# Altium PCB Inverter_2kW.PcbDoc (part 1 of 3) (continued)
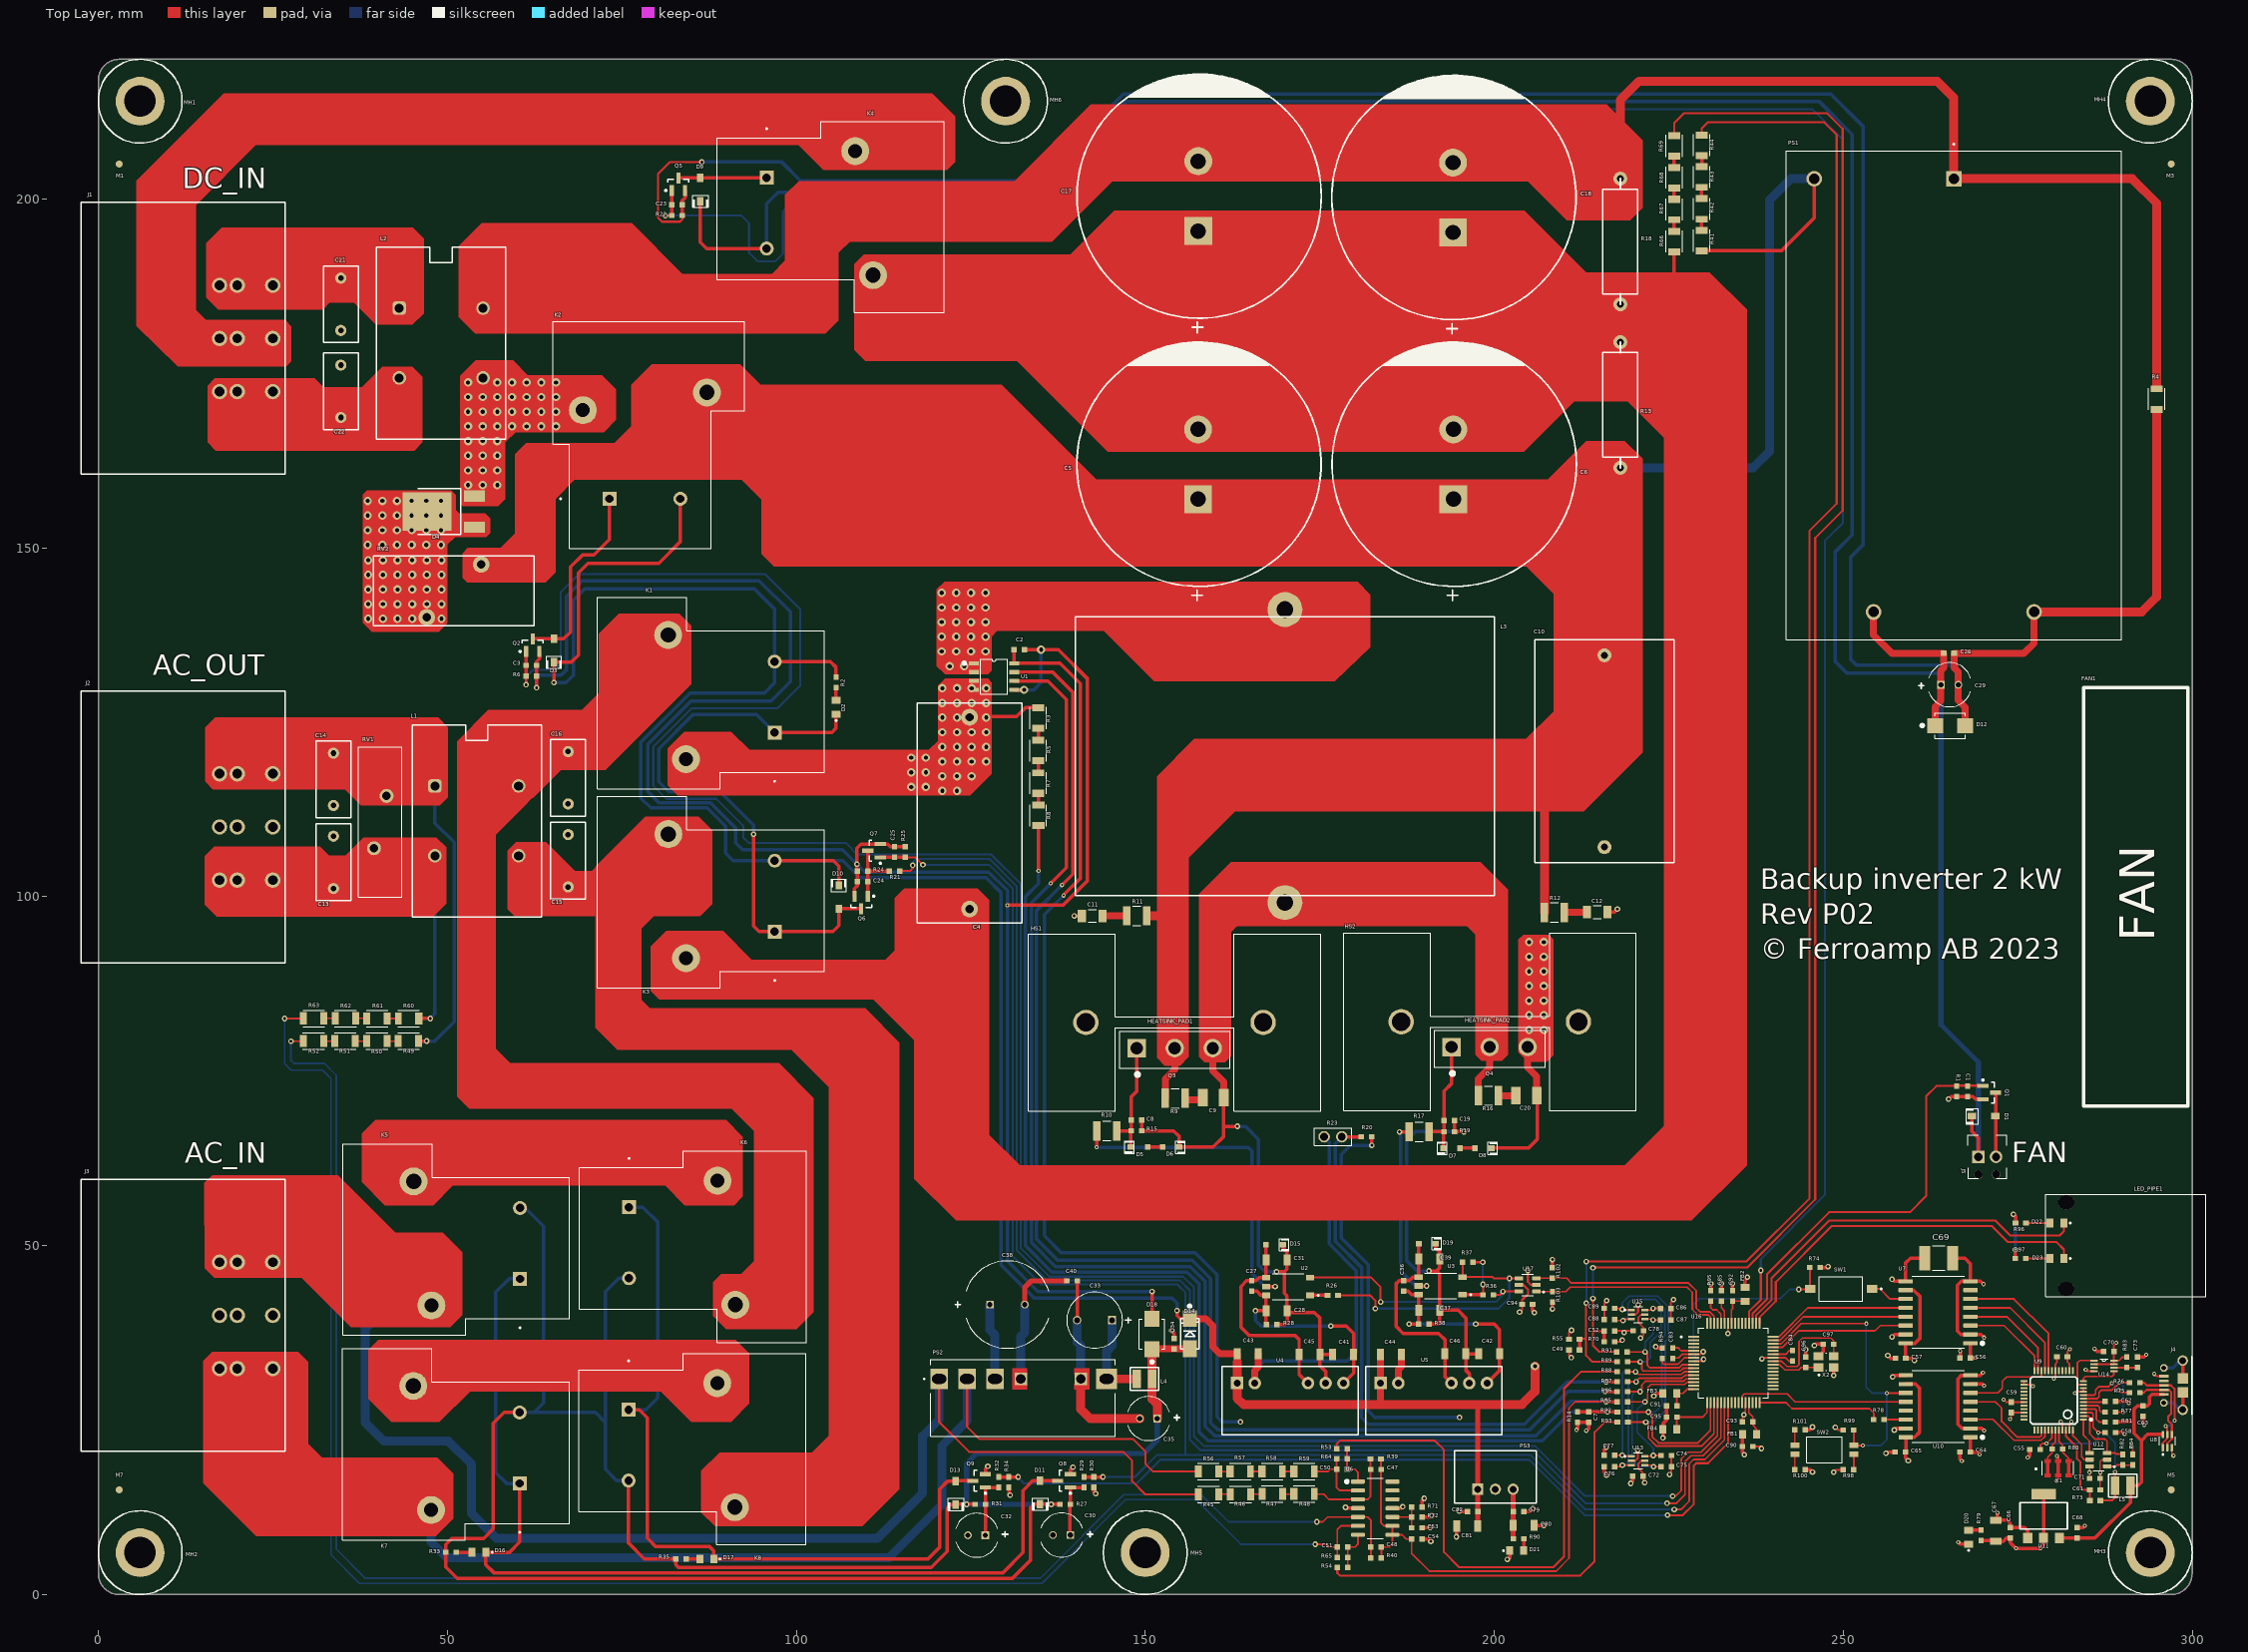
[diagram p0: Top Layer view]
## Design rules (kind name [scope] priority, off if disabled: settings)
Clearance [All vs ((Not InAnyNet) And IsPad)] p1: gap=0.6 ignorepadtopadclearanceinfootprint=TRUE except(0.2: Arc-Arc Arc-Track Arc-SMDPad Arc-THPad Arc-Via Arc-Hole Track-Track Track-SMDPad Track-THPad Track-Via Track-Hole SMDPad-SMDPad SMDPad-THPad SMDPad-Via SMDPad-Hole THPad-THPad THPad-Via THPad-Hole Via-Via Via-Hole Fill-Hole Poly-Hole Region-Hole Text-Hole)
Clearance Clearance_Keepout [All vs KeepoutRestrictionsCopper] p2: gap=1.4 ignorepadtopadclearanceinfootprint=TRUE except(0.5: Arc-Arc Arc-Track Arc-SMDPad Arc-THPad Arc-Hole Track-Track Track-SMDPad Track-THPad Track-Hole)
Clearance Clearance_+HV [InNetClass('+HV') vs Not InNetClass('+HV')] p3: gap=1.5 ignorepadtopadclearanceinfootprint=FALSE
Clearance Clearance_-HV [InNetClass('-HV') vs Not InNetClass('-HV')] p4: gap=1.5 ignorepadtopadclearanceinfootprint=FALSE
Clearance Clearance_VACL [InNetClass('VAC_L') vs Not InNetClass('VAC_L')] p5: gap=1.5 ignorepadtopadclearanceinfootprint=FALSE
Clearance Clearance_VACN [InNetClass('VAC_N') vs Not InNetClass('VAC_N')] p6: gap=1.5 ignorepadtopadclearanceinfootprint=FALSE
Clearance Clearance_Earth [InNet('Earth') vs Not InNet('Earth')] p7: gap=1.5 ignorepadtopadclearanceinfootprint=FALSE
Clearance Clearance_USB_ISO [InNetClass('GND_USB') vs Not InNetClass('GND_USB')] p8: gap=1.5 ignorepadtopadclearanceinfootprint=FALSE
Clearance Clearance_1 [All] p9: gap=0.6 ignorepadtopadclearanceinfootprint=TRUE except(0.2: Arc-Arc Arc-Track Arc-SMDPad Arc-THPad Arc-Via Arc-Hole Track-Track Track-SMDPad Track-THPad Track-Via Track-Hole SMDPad-SMDPad SMDPad-THPad SMDPad-Via SMDPad-Hole THPad-THPad THPad-Via THPad-Hole Via-Via Via-Hole Fill-Hole Poly-Hole Region-Hole Text-Hole)
ComponentClearance [All] p1: gap=0.25 collisioncheckmode=3 verticalgap=0 showdistances=FALSE
DiffPairsRouting DiffPairsRouting_USB [InDifferentialPair('USB')] p1: maxlimit=10 minlimit=0.1 mostfreqgap=0.1 toplayer_minwidth=0.16 toplayer_maxwidth=0.5 toplayer_prefwidth=0.2 midlayer1_minwidth=0.16 midlayer1_maxwidth=0.5 midlayer1_prefwidth=0.2 midlayer2_minwidth=0.16 midlayer2_maxwidth=0.5 midlayer2_prefwidth=0.2 bottomlayer_minwidth=0.16 bottomlayer_maxwidth=0.5 bottomlayer_prefwidth=0.2 maxuncoupledlength=12.7
DiffPairsRouting DiffPairsRouting_USB_D [InDifferentialPair('USB_D')] p2: maxlimit=10 minlimit=0.1 mostfreqgap=0.1 toplayer_minwidth=0.16 toplayer_maxwidth=0.5 toplayer_prefwidth=0.2 midlayer1_minwidth=0.16 midlayer1_maxwidth=0.5 midlayer1_prefwidth=0.2 midlayer2_minwidth=0.16 midlayer2_maxwidth=0.5 midlayer2_prefwidth=0.2 bottomlayer_minwidth=0.16 bottomlayer_maxwidth=0.5 bottomlayer_prefwidth=0.2 maxuncoupledlength=12.7
DiffPairsRouting DiffPairsRouting_ETH_RD [InDifferentialPair('ETH_RD')] p3: maxlimit=10 minlimit=0.1 mostfreqgap=0.1 toplayer_minwidth=0.16 toplayer_maxwidth=0.5 toplayer_prefwidth=0.2 midlayer1_minwidth=0.16 midlayer1_maxwidth=0.5 midlayer1_prefwidth=0.2 midlayer2_minwidth=0.16 midlayer2_maxwidth=0.5 midlayer2_prefwidth=0.2 bottomlayer_minwidth=0.16 bottomlayer_maxwidth=0.5 bottomlayer_prefwidth=0.2 maxuncoupledlength=12.7
DiffPairsRouting DiffPairsRouting_ETH_TD [InDifferentialPair('ETH_TD')] p4: maxlimit=10 minlimit=0.1 mostfreqgap=0.1 toplayer_minwidth=0.16 toplayer_maxwidth=0.5 toplayer_prefwidth=0.2 midlayer1_minwidth=0.16 midlayer1_maxwidth=0.5 midlayer1_prefwidth=0.2 midlayer2_minwidth=0.16 midlayer2_maxwidth=0.5 midlayer2_prefwidth=0.2 bottomlayer_minwidth=0.16 bottomlayer_maxwidth=0.5 bottomlayer_prefwidth=0.2 maxuncoupledlength=12.7
DiffPairsRouting [All] p5: maxlimit=0.16 minlimit=0.1 mostfreqgap=0.1 toplayer_minwidth=0.16 toplayer_maxwidth=0.5 toplayer_prefwidth=0.2 midlayer1_minwidth=0.16 midlayer1_maxwidth=0.5 midlayer1_prefwidth=0.2 midlayer2_minwidth=0.16 midlayer2_maxwidth=0.5 midlayer2_prefwidth=0.2 bottomlayer_minwidth=0.16 bottomlayer_maxwidth=0.5 bottomlayer_prefwidth=0.2 maxuncoupledlength=12.7
Height [All] p1: minheight=0 maxheight=20 prefheight=10
HoleSize HoleSize_BGA [isVia And WithinRoom('MCU_IO')] p1: absolutevalues=TRUE maxlimit=2.5 minlimit=0.1 maxpercent=80.000 minpercent=20.000
HoleSize [All] p2: absolutevalues=TRUE maxlimit=15 minlimit=0.2 maxpercent=80.000 minpercent=20.000
HoleToHoleClearance [All] p1: gap=0.4 allowstackedmicrovias=TRUE
MatchedLengths MD_MatchedLengths [InNetClass('MD')] p1: tolerance=2 checknetsindiffpair=FALSE checkdiffpairvsdiffpair=TRUE checkxsignals=TRUE checkothers=TRUE
MatchedLengths SD_MatchedLengths [InNetClass('SD')] p2: tolerance=8 checknetsindiffpair=FALSE checkdiffpairvsdiffpair=TRUE checkxsignals=TRUE checkothers=TRUE
MatchedLengths SSD_MatchedLengths [InNetClass('SSD')] p3: tolerance=10 checknetsindiffpair=FALSE checkdiffpairvsdiffpair=TRUE checkxsignals=TRUE checkothers=TRUE
MatchedLengths XIP_MatchedLengths [InNetClass('XIP')] p4: tolerance=10 checknetsindiffpair=FALSE checkdiffpairvsdiffpair=TRUE checkxsignals=TRUE checkothers=TRUE
MatchedLengths Flash [InNetClass('Flash')] p5: tolerance=1.27 checknetsindiffpair=FALSE checkdiffpairvsdiffpair=TRUE checkxsignals=TRUE checkothers=TRUE
MatchedLengths DiffPair_ETHMatchedLengths [InDifferentialPairClass('DP_ETH')] p6: tolerance=2.3 checknetsindiffpair=TRUE checkdiffpairvsdiffpair=FALSE checkxsignals=FALSE checkothers=FALSE
MatchedLengths RMII_MatchedLengths [InNetClass('RMII')] p7: tolerance=8 checknetsindiffpair=FALSE checkdiffpairvsdiffpair=TRUE checkxsignals=TRUE checkothers=TRUE
MatchedLengths DiffPair_DP_USBMatchedLengths [InDifferentialPair ('USB_D')] p8: tolerance=14.2 checknetsindiffpair=TRUE checkdiffpairvsdiffpair=FALSE checkxsignals=FALSE checkothers=FALSE
MinimumAnnularRing "MinimumAnnularRing Mid-Layer 1" [OnLayer('Mid-Layer 1')] p1: minimumring=0.35
MinimumAnnularRing "MinimumAnnularRing Mid-Layer 2" [OnLayer('Mid-Layer 2')] p2: minimumring=0.35
MinimumAnnularRing [All] p3: minimumring=0.1
MinimumSolderMaskSliver [All] p1: minsoldermaskwidth=0
NetAntennae NetAntennae_JTAG [InNetClass('JTAG')] p1: netantennaetolerance=20
NetAntennae [All] p2: netantennaetolerance=0
PlaneClearance [All] p1: clearance=0.5
PlaneConnect [All] p1: planeconnectstyle=Relief reliefexpansion=0.5 reliefentries=4 reliefconductorwidth=1 reliefairgap=0.5
PolygonConnect [All] p1: thpad.connectstyle=Relief thpad.reliefconductorwidth=1 thpad.reliefentries=4 thpad.polygonreliefangle="90 Angle" thpad.airgapwidth=0.5 smdpad.connectstyle=Direct smdpad.reliefconductorwidth=0.4 smdpad.reliefentries=4 smdpad.polygonreliefangle="90 Angle" smdpad.airgapwidth=0.254 via.connectstyle=Direct via.reliefconductorwidth=0.75 via.reliefentries=4 via.polygonreliefangle="90 Angle" via.airgapwidth=0.5
RoomDefinition Inverter [InComponentClass('Inverter')] p1: confinementstyle=ConfineIn formatcopy=TRUE lockcomponents=FALSE outline -829.291,-613.638 -778.491,-613.638 -778.491,-588.238 -829.291,-588.238
RoomDefinition Main [InComponentClass('Main')] p2: confinementstyle=ConfineIn formatcopy=TRUE lockcomponents=FALSE outline -829.291,-613.638 -778.491,-613.638 -778.491,-588.238 -829.291,-588.238
RoomDefinition Controller [InComponentClass('Controller')] p3: confinementstyle=ConfineIn formatcopy=TRUE lockcomponents=FALSE outline -829.291,-613.638 -778.491,-613.638 -778.491,-588.238 -829.291,-588.238
RoutingCorners [All] p1: cornerstyle=45-Degree minsetback=2 maxsetback=2
RoutingVias [All] p1: holewidth=0.3 width=0.8 viastyle="Through Hole" minholewidth=0.25 minwidth=0.48 maxholewidth=0.3 maxwidth=0.8
SilkToSilkClearance [All] p1: silktosilkclearance=0.25
SilkToSolderMaskClearance SilkscreenOverComponentPads [IsPad] p1: minsilkscreentomaskgap=0.25 clearancetoexposedcopper=TRUE
SolderMaskExpansion ISVIA [IsVia] p1: expansion=0.15
SolderMaskExpansion [All] p2: expansion=0.065
Width Width_BGA [WithinRoom('BGA')] p1: maxlimit=1 minlimit=0.1 preferedwidth=0.15 minimp=50.000000 maximp=50.000000 favimp=50.000000
Width [All] p2: maxlimit=5 minlimit=0.1 preferedwidth=0.15 minimp=50.000000 maximp=50.000000 favimp=50.000000
18 further rules are at their usual default settings.

## Classes and differential pairs
net class GND_USB: 3V3_ISO 5V_USB DF_CLK DF_OE GND_USB NetC55_2 NetC61_2 NetC62_2 NetC73_2 NetD20_A NetJ4_2 NetJ4_3 NetR75_1 NetR76_1 NetR77_2 NetR80_1 NetR80_2 NetR81_2 NetR82_1 NetR82_2 NetU7_7 NetU9_1 NetU9_13 NetU9_15 NetU9_16 NetU9_17 NetU9_19 NetU9_27 NetU9_28 NetU9_29 NetU9_30 NetU9_32 NetU9_33 NetU9_35 NetU9_36 NetU9_37 NetU9_38 NetU9_41 NetU9_48 NetU10_4 NetU14_3 RX_ISO TCK_ISO TDI_ISO TDO_ISO TMS_ISO TRSTn_ISO TX_ISO
component class Main: C1 D1 FAN1 J1 J2 J3 J4 J5 M1 M2 M3 M4 M5 M6 M7 M8 MH1 MH2 MH3 MH4 MH5 MH6 Q1 R1
component class Inverter: C2 C3 C4 C5 C6 C7 C8 C9 C10 C11 C12 C13 C14 C15 C16 C17 C18 C19 C20 C21 C22 C23 C24 C25 C26 C27 C28 C29 C30 C31 C32 C33 C34 C35 C36 C37 C38 C39 C40 C41 C42 C43 C44 C45 C46 C47 C48 C49 C50 C51 C52 C53 C54 D2 D3 D4 D5 D6 D7 D8 D9 D10 D11 D12 D13 D14 D15 D16 D17 D18 D19 HEATSINK_PAD1 HEATSINK_PAD2 HS1 HS2 K1 K2 K3 K4 K5 K6 K7 K8 L1 L2 L3 L4 L6 PS1 PS2 Q2 Q3 Q4 Q5 Q6 Q7 Q8 Q9 R2 R3 R4 R5 R6 R7 R8 R9 R10 R11 R12 R13 R14 R15 R16 R17 R18 R19 R20 R21 R22 R23 R24 R25 R26 R27 R28 R29 R30 R31 R32 R33 R34 R35 R36 R37 R38 R39 R40 R41 R42 R43 R44 R45 R46 R47 R48 R49 R50 R51 R52 R53 R54 R55 R56 R57 R58 R59 R60 R61 R62 R63 R64 R65 R66 R67 R68 R69 R70 R71 R72 RV1 RV2 U1 U2 U3 U4 U5 U6
component class Controller: C55 C56 C57 C58 C59 C60 C61 C62 C63 C64 C65 C66 C67 C68 C69 C70 C71 C72 C73 C74 C75 C76 C77 C78 C79 C80 C81 C82 C83 C84 C85 C86 C87 C88 C89 C90 C91 C92 C93 C94 C95 C96 C97 D20 D21 D22 D23 FB1 FB2 FB3 FB4 L5 L7 LED_PIPE1 PS3 R73 R74 R75 R76 R77 R78 R79 R80 R81 R82 R83 R84 R85 R86 R87 R88 R89 R90 R91 R92 R93 R94 R95 R96 R97 R98 R99 R100 R101 R102 R103 SW1 SW2 U7 U8 U9 U10 U11 U12 U13 U14 U15 U16 U17 U18 U19 X1 X2
net class +HV: +HV NetD4_1 NetD4_3 NetJ1_3
net class -HV: +15V_2 -5V_2 -HV NetC19_2 NetJ1_1 NetR17_2
net class VAC_L: +15V_1 -5V_1 ACL_IN ACL_OUT MIDV NetC4_2 NetC8_2 NetC16_2 NetK5_4 NetL3_2 NetR10_2
net class VAC_N: ACN_IN ACN_OUT NetC15_2 NetK7_4 PEN V_Mid

## Components (designator, comment, footprint, x,y, rotation, side; value= is the part's Value field where it differs from the comment)
C1 "1.0n" C0603 267.825,72.125 r90 top
C2 "100n" C0603 131.95,135.4 r180 top
C3 "1.0n" C0603 62.05,133.15 r180 top
C4 "2.2uF" B32674 124.825,111.975 r90 top
C5 "450V/470uF" CAP_B43640B5477M000 157.575,161.975 r90 top
C6 "450V/470uF" CAP_B43640B5477M000 194.15,161.975 r90 top
C7 "100p" C0603 213.55,25.45 r90 top
C8 "1.0n" C0603 148.768,68 r180 top
C9 "100pF" C1210 159.75,71.2 r180 top
C10 "10uF/900V" MKP1848C61090KK2 215.8,120.85 r90 top
C11 "0.01uF/1000V" C1206#1 142.4,97.25 r0 top
C12 "0.01uF/1000V" C1206#1 214.75,97.8 r180 top
C13 "4700pF" CAP_C947U472MZVDBA7317 33.7,104.925 r270 top
C14 "4700pF" CAP_C947U472MZVDBA7317 33.7,116.825 r90 top
C15 "4700pF" CAP_C947U472MZVDBA7317 67.325,105.15 r270 top
C16 "4700pF" CAP_C947U472MZVDBA7317 67.325,117.05 r90 top
C17 "450V/470uF" CAP_B43640B5477M000 157.6,200.4 r90 top
C18 "450V/470uF" CAP_B43640B5477M000 194.1,200.2 r90 top
C19 "1.0n" C0603 193.551,67.913 r180 top
C20 "100pF" C1210 204.6,71.5 r180 top
C21 "4700pF" CAP_C947U472MZVDBA7317 34.75,184.9 r90 top
C22 "4700pF" CAP_C947U472MZVDBA7317 34.75,172.425 r270 top
C23 "1.0n" C0603 82.925,199.15 r180 top
C24 "1.0n" C0603 109.5,102.15 r0 top
C25 "1.0n" C0603 114.075,106.4 r270 top
C26 "1.0u" C0603 265.15,134.9 r180 top
C27 "1.0u" C0603 165.25,44.225 r270 top
C28 "4.7u" C1206#2 168.85,40.65 r180 top
C29 "100uF" CAP_EEUFC1E101S 265.25,130.375 r0 top
C30 "100uF" CAP_EEUFC1E101S 138.025,8.525 r180 top
C31 "4.7u" C1206#2 168.8,47.95 r0 top
C32 "100uF" CAP_EEUFC1E101S 125.85,8.5 r180 top
C33 "270uF" CAP_EEU-FK1E271B 142.75,39.325 r180 top
C34 "100n" C0603 154.15,35.95 r270 top
C35 "100uF" CAP_EEUFC1E101S 150.475,25.225 r180 top
C36 "1.0u" C0603 187.025,44.225 r270 top
C37 "4.7u" C1206#2 190.7,40.75 r180 top
C38 "22uF/450V" CAP_450BXW22MEFR12.5X20 130.25,41.55 r0 top
C39 "4.7u" C1206#2 190.7,48.075 r0 top
C40 "1.0n" C0603 139.5,44.95 r180 top
C41 "10u" C1206#2 178.35,34.4 r0 top
C42 "10u" C1206#2 199.25,34.5 r0 top
C43 "10u" C1206#2 164.7,34.5 r180 top
C44 "10u" C1206#2 185.2,34.4 r180 top
C45 "4.7u" C1206#2 173.55,34.4 r0 top
C46 "4.7u" C1206#2 194.425,34.5 r0 top
C47 "220p" C0603 183.032,17.914 r0 top
C48 "220p" C0603 183.075,6.826 r0 top
C49 "100p" C0603 211.475,35.05 r0 top
C50 "220p" C0603 178.175,17.95 r180 top
C51 "220p" C0603 178.275,6.825 r180 top
C52 "100p" C0603 216.525,37.775 r180 top
C53 "100n" C0603 188.925,9.575 r180 top
C54 "100n" C0603 188.925,7.95 r180 top
C55 "1.0u" C0603 277.5,20.775 r0 top
C56 "100n" C0603 267.475,33.9 r0 top
C57 "470n" C0603 258.225,33.85 r0 top
C58 "1.0u" C0603 288.3,23.225 r180 top
C59 "100n" C0603 274.1,26.825 r90 top
C60 "220n" C0603 281.375,34.075 r0 top
C61 "100n" C0603 286.1,15 r180 top
C62 "100n" C0603 288.3,27.675 r180 top
C63 "100n" C0603 292.95,26.3 r90 top
C64 "100n" C0603 267.5,20.425 r0 top
C65 "470n" C0603 258.2,20.425 r0 top
C66 "100n" C0603 273.95,8.85 r270 top
C67 "10u" C1206#2 271.875,9.125 r270 top
C68 "2.2u" C0603 283.525,8.85 r270 top
C69 "0.1uF/1000V" C1812 263.675,48.2 r0 top
C70 "220n" C0603 288.043,34.823 r0 top
C71 "100n" C0603 286.075,16.625 r180 top
C72 "100n" C0603 220.6,16.975 r0 top
C73 "100n" C0603 292.168,33.273 r270 top
C74 "33n" C0603 224.65,19.925 r180 top
C75 "33n" C0603 224.65,18.325 r180 top
C76 "33n" C0603 216.5,18.325 r0 top
C77 "33n" C0603 216.5,19.95 r0 top
C78 "100n" C0603 220.65,37.8 r0 top
C79 "100n" C0603 203.475,11.9 r180 top
C80 "10u" C1206#2 204.225,9.9 r180 top
C81 "10u" C1206#2 196.15,9.825 r0 top
C82 "100n" C0603 196.95,11.875 r0 top
C83 "2.2u" C0603 225.6,34.575 r90 top
C84 "2.2u" C0603 242.75,34.2 r90 top
C85 "2.2u" C0603 232.55,42.8 r270 top
C86 "33n" C0603 224.575,40.975 r180 top
C87 "33n" C0603 224.575,39.325 r180 top
C88 "33n" C0603 216.525,39.4 r0 top
C89 "33n" C0603 216.525,41.025 r0 top
C90 "1.0u" C0603 236.325,21.2 r180 top
C91 "2.2u" C0603 225.425,27.05 r0 top
C92 "2.2u" C0603 234.15,42.8 r270 top
C93 "2.2u" C0603 236.3,24.75 r0 top
C94 "100n" C0603 204.75,41.6 r180 top
C95 "1.0u" C0603 225.425,25.425 r0 top
C96 "18p" C0603 244.625,33.3 r270 top
C97 "18p" C0603 247.9,35.875 r0 top
D1 "1N4148W-7-F" SOD123 270.15,68.55 r0 top
D2 "GREEN" LED0805 105.712,127.139 r90 top
D3 "1N4148W-7-F" SOD123 65.275,135.275 r90 top
D4 "FFSD08120A" DPAK-3 48.95,155.2 r90 top
D5 "16V" SOD323 149.13,64.116 r0 top
D6 "5.1V" SOD323 153.68,64.116 r180 top
D7 "16V" SOD323 193.925,63.963 r0 top
D8 "5.1V" SOD323 198.425,63.963 r180 top
D9 "1N4148W-7-F" SOD123 86.25,201.325 r90 top
D10 "1N4148W-7-F" SOD123 106.1,99.95 r270 top
D11 "1N4148W-7-F" SOD123 134.95,14.625 r90 top
D12 "SMBJ20A" DO-214AA2 265.325,124.525 r0 top
D13 "1N4148W-7-F" SOD123 122.85,14.6 r90 top
D14 "B130-13-F" DO-214AC 156.375,37.375 r270 top
D15 "5.1V" SOD323 168.525,50.125 r180 top
D16 "GREEN" LED0805 54.525,6.05 r180 top
D17 "GREEN" LED0805 87.175,5.1 r180 top
D18 "SMBJ20A" DO-214AA2 150.975,37.35 r90 top
D19 "5.1V" SOD323 190.4,50.3 r180 top
D20 "GREEN" LED0805 267.975,8.225 r90 top
D21 "GREEN" LED0805 203.225,6.3 r0 top
D22 "GREEN" LED0805 280.625,53.225 r180 top
D23 "GREEN" LED0805 280.625,48.15 r180 top
FAN1 "FAN_60*60mm" FAN_60*60MM 291.925,100 r0 top
FB1 "BLM21SP102BH1D" R0805 236.575,22.975 r180 top
FB2 "BLM21SP102BH1D" R0805 235.95,43.05 r90 top
FB3 "BLM21SP102BH1D" R0805 225.175,28.825 r180 top
FB4 "BLM21SP102BH1D" R0805 225.175,23.675 r180 top
HEATSINK_PAD1 "SP900S-0.009-00-90" SP900S-0.009-00-90 339.725,41.775 r0 top
HEATSINK_PAD2 "SP900S-0.009-00-90" SP900S-0.009-00-90 364.575,42.275 r0 top
HS1 "530002B02500G" 530002B02500G 154.2,81.988 r0 top
HS2 "530002B02500G" 530002B02500G 199.375,82.088 r0 top
J1 "1720806" 1720806 25,180 r270 top locked
J2 "1720806" 1720806 25,110 r270 top locked
J3 "1720806" 1720806 25,40 r270 top locked
J4 "10118194-0001LF" 10118194-0001LF 297.3,30 r270 top
J5 "1725656" 1725656 269.36,62.725 r0 top
K1 "T9AS1D12-12" RELAY_T9AS1D12-12 96.9,123.535 r90 top
K2 "T9AS1D12-12" RELAY_T9AS1D12-12 73.24,157.025 r0 top
K3 "T9AS1D12-12" RELAY_T9AS1D12-12 96.915,95.005 r90 top
K4 "T9AS1D12-12" RELAY_T9AS1D12-12 95.76,203.045 r270 top
K5 "T9AS1D12-12" RELAY_T9AS1D12-12 60.425,45.235 r90 top
K6 "T9AS1D12-12" RELAY_T9AS1D12-12 76.035,55.495 r270 top
K7 "T9AS1D12-12" RELAY_T9AS1D12-12 60.375,15.925 r90 top
K8 "T9AS1D12-12" RELAY_T9AS1D12-12 75.975,26.49 r270 top
L1 "1mH" "WE-CMB_Type L_L27.5W18.5H33" 54.225,110.875 r270 top
L2 "1mH" "WE-CMB_Type L_L27.5W18.5H33" 49.125,179.35 r270 top
L3 "1mH" IND_FS-226060-2H305 170.025,120.15 r90 top
L4 "4.7uH/1.9A" IND_SRN3015C 149.875,30.9 r0 top
L5 "22uH" IND_NRH3012T 290.05,15.6 r180 top
LED_PIPE1 "RLP2-400-800" RLP2-400-800 281.95,50 r90 top
M1 "Marker" PASSER-KREIS 3,205 r0 top value=NB
M2 "Marker" PASSER-KREIS 3,205 r180 bottom value=NB
M3 "Marker" PASSER-KREIS 297,205 r0 top value=NB
M4 "Marker" PASSER-KREIS 297,205 r180 bottom value=NB
M5 "Marker" PASSER-KREIS 297,15 r0 top value=NB
M6 "Marker" PASSER-KREIS 297,15 r180 bottom value=NB
M7 "Marker" PASSER-KREIS 3,15 r0 top value=NB
M8 "Marker" PASSER-KREIS 3,15 r180 bottom value=NB
MH1 "No Fit" MOUNTINGHOLE 6,214 r0 top
MH2 "No Fit" MOUNTINGHOLE 6,6 r0 top
MH3 "No Fit" MountingHole 294,6 r0 top
MH4 "No Fit" MOUNTINGHOLE_CUTOUT 294,214 r0 top
MH5 "No Fit" MOUNTINGHOLE_CUTOUT 150,6 r0 top
MH6 "No Fit" MOUNTINGHOLE_CUTOUT 130,214 r0 top
PS1 "PV15-27B12R3" CONV_PV15-27B12R3 265.85,171.85 r270 top
PS2 "LS05-13B12R3" CONV_LS05-13B12R3 132.475,30.9 r0 top
PS3 "TR05S3V3" TR05S3V3 200.175,16.85 r0 top
Q1 "2N7002-7-F" SOT23-3N 270.925,71.925 r0 top
Q2 "2N7002-7-F" SOT23-3N 62.25,136.05 r90 top
Q3 "G3R75MT12D" TO247-3 154.225,78.313 r0 top
Q4 "G3R75MT12D" TO247-3 199.35,78.463 r0 top
Q5 "2N7002-7-F" SOT23-3N 83.125,202.1 r90 top
Q6 "2N7002-7-F" SOT23-3N 109.3,99.175 r270 top
Q7 "2N7002-7-F" SOT23-3N 111.15,106.6 r180 top
Q8 "2N7002-7-F" SOT23-3N 138.375,16.3 r180 top
Q9 "2N7002-7-F" SOT23-3N 126.2,16.3 r180 top
R1 "10k" R0603 266.275,72.125 r270 top
R2 "3.3k" R0603 105.712,130.739 r90 top
R3 "680k" R1206 134.675,125.6 r90 top
R4 "0R" R1206 294.925,171.3 r90 top
R5 "680k" R1206 134.675,120.95 r90 top
R6 "100k" R0603 62.05,131.625 r0 top
R7 "680k" R1206 134.675,116.275 r90 top
R8 "680k" R1206 134.7,111.65 r90 top
R9 "10R" R1210 154.275,71.125 r180 top
R10 "10R" R1210 144.518,66.45 r180 top
R11 "10R" R1210 148.8,97.275 r0 top
R12 "10R" R1210 208.625,97.75 r180 top
R13 "330K" THT_R(3W) 218.075,170.475 r270 top
R14 "9.09k" R0603 211.95,25.45 r90 top
R15 "10k" R0603 148.768,66.45 r180 top
R16 "10R" R1210 199.15,71.488 r180 top
R17 "10R" R1210 189.225,66.325 r180 top
R18 "330K" THT_R(3W) 218.075,193.9 r270 top
R19 "10k" R0603 193.55,66.321 r180 top
R20 "10k" R0603 181.725,65.6 r180 top
R21 "3.3k" R0603 114.075,103.675 r180 top
R22 "100k" R0603 82.925,197.625 r0 top
R23 "NXFT15WF104FEAB035" NTC_Sensor 176.9,65.6 r180 top
R24 "100k" R0603 109.5,103.675 r180 top
R25 "100k" R0603 115.6,106.4 r90 top
R26 "100R" R0603 176.875,42.875 r180 top
R27 "1M" R0603 138.525,12.925 r180 top
R28 "10k" R0603 168.1,38.7 r180 top
R29 "9.1k" R0603 141.225,16.1 r270 top
R30 "3.6k" R0603 142.65,16.1 r90 top
R31 "1M" R0603 126.35,12.925 r180 top
R32 "9.1k" R0603 129.025,16.1 r270 top
R33 "3.3k" R0603 50.55,6.05 r180 top
R34 "3.6k" R0603 130.45,16.1 r90 top
R35 "3.3k" R0603 83.5,5.1 r180 top
R36 "100R" R0603 199.15,42.95 r180 top
R37 "10k" R0603 196.225,47.625 r0 top
R38 "10k" R0603 189.925,38.75 r180 top
R39 "10k" R0603 183.025,19.425 r0 top
R40 "10k" R0603 183.075,5.25 r0 top
R41 "680k" R1206 229.725,194.025 r270 top
R42 "680k" R1206 229.725,198.575 r270 top
R43 "680k" R1206 229.75,203.15 r270 top
R44 "680k" R1206 229.75,207.7 r270 top
R45 "1.6M" R1206 159.075,14.35 r0 top
R46 "1.6M" R1206 163.65,14.375 r0 top
R47 "1.6M" R1206 168.2,14.4 r0 top
R48 "1.6M" R1206 172.75,14.4 r0 top